# KiCad board CDJ-MainBoard.kicad_pcb
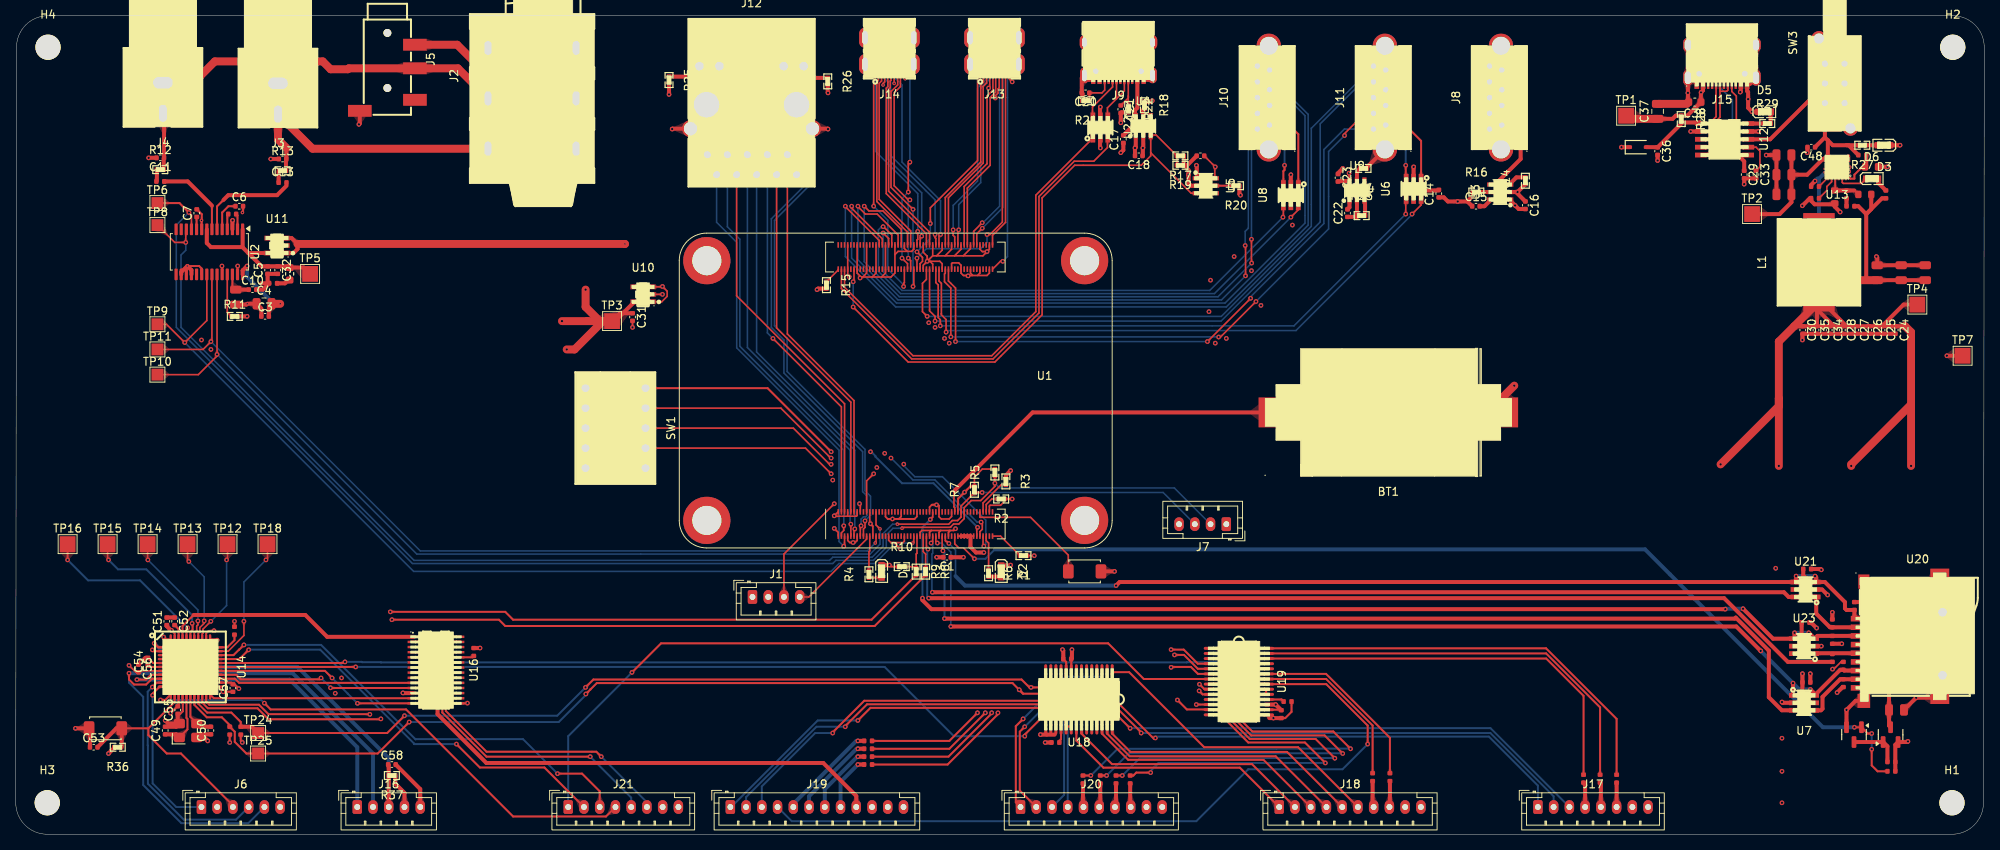
[diagram p0: board, top side]
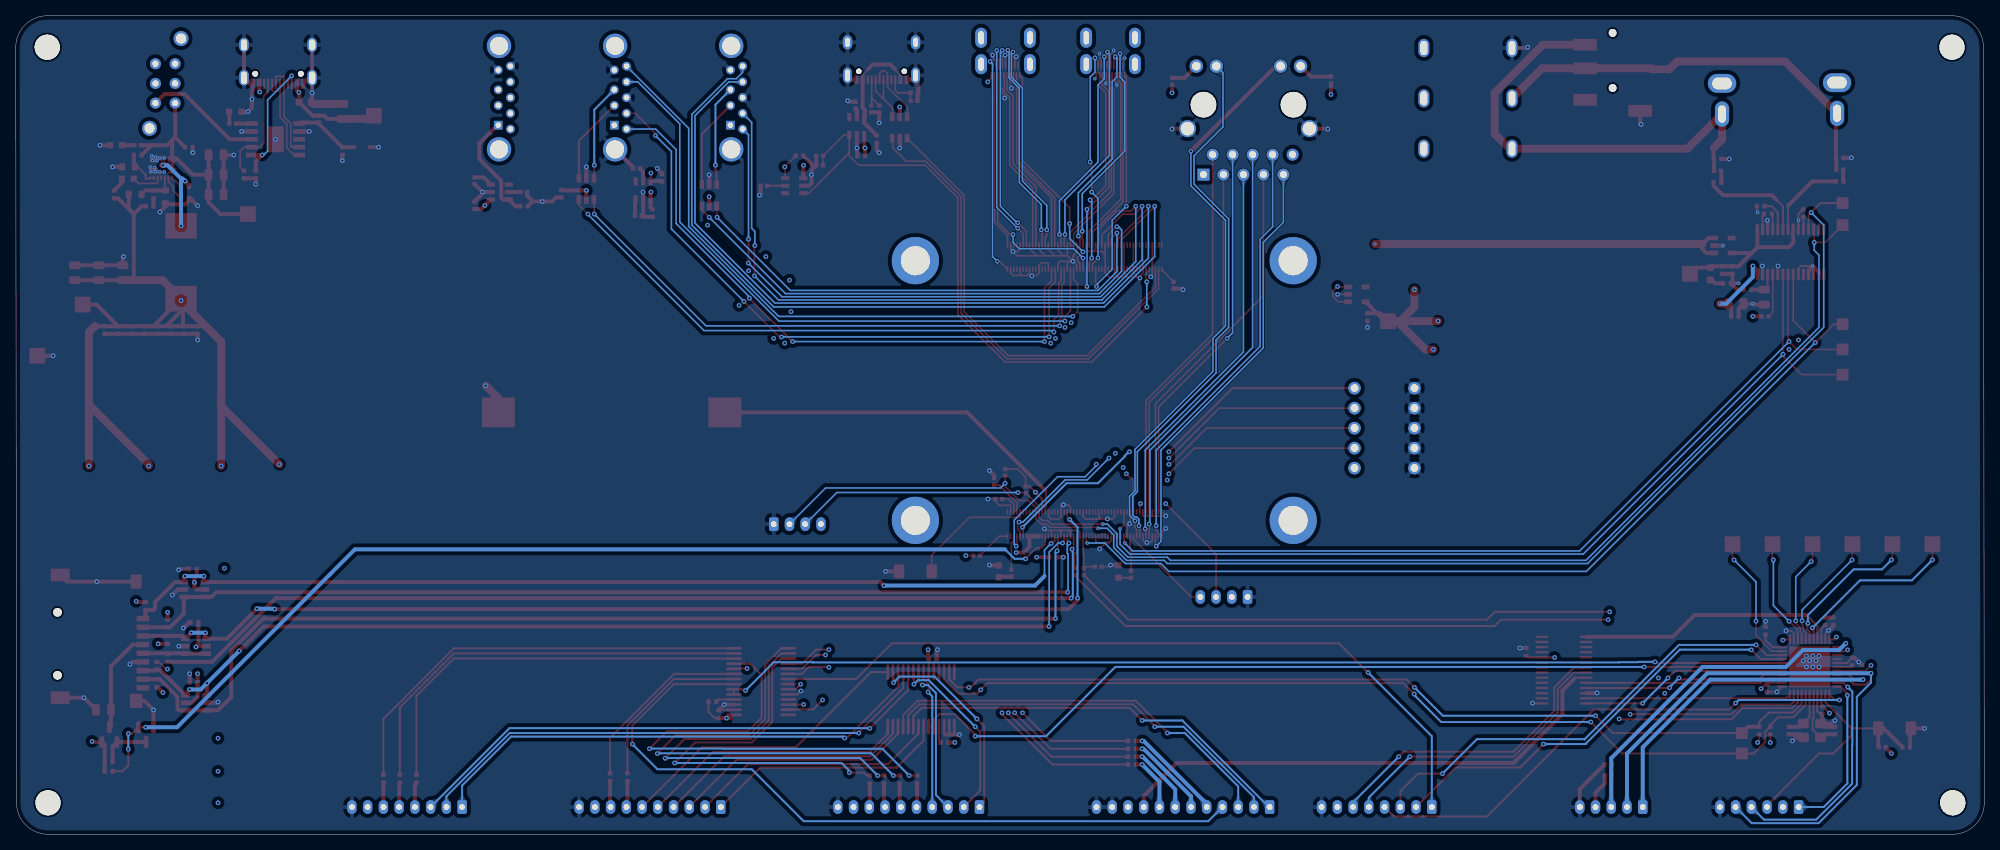
[diagram p1: board, bottom side, seen from below]

Outline 250.1 x 104 mm; copper layers: Top, In1.Cu, In2.Cu, Bottom. Coordinates in mm from the lower left corner of the outline.
Outline path: 0,4 0.1,100 arc(1.27,102.83) 4.1,104 246.1,104 arc(248.93,102.83) 250.1,100 250,4 arc(248.83,1.17) 246,0 4,0 arc(1.17,1.17) 0,4
Stack: Top 0.035mm / dielectric 0.1mm FR4 er 4.5 / In1.Cu 0.035mm / dielectric 1.24mm FR4 er 4.5 / In2.Cu 0.035mm / dielectric 0.1mm FR4 er 4.5 / Bottom 0.035mm

## Placement (name value [footprint] x y rotation side)
BT1  CR2032-BS-6-1  [BAT-TH_CR2032-BS-6-1]  174.39 53.6 180 top
C1  100nF  [C_0402_1005Metric]  118.32 35.2 180 top
C2  2.2uF  [C_0402]  32.7 70 0 top
C3  100nF  [C_0402_1005Metric]  31.68 65.8 0 top
C4  10µF  [C_0805_2012Metric]  31.55 67.4 0 top
C5  100nF  [C_0402_1005Metric]  32 71.68 90 top
C6  1µF  [C_0402_1005Metric]  28.4 79.8 0 top
C7  1µF  [C_0402_1005Metric]  23 78.92 90 top
C8  2.2uF  [C_0402]  27.5 78.8 0 top
C9  2.2uF  [C_0402]  18.37 82.94 0 top
C10  100nF  [C_0402_1005Metric]  30.08 69.2 0 top
C11  2.2nF  [C_0402_1005Metric]  18.37 85.94 180 top
C12  2.2uF  [C_0402]  33.9 82.8 0 top
C13  2.2nF  [C_0402_1005Metric]  33.9 85.8 180 top
C14  1µF  [C_0402_1005Metric]  180.8 81.4 90 top
C15  1µF  [C_0402_1005Metric]  185.52 79.8 0 top
C16  1µF  [C_0402_1005Metric]  191.8 79.92 270 top
C17  1µF  [C_0402_1005Metric]  140.72 88.32 90 top
C18  1µF  [C_0402_1005Metric]  142.68 86.2 180 top
C19  1µF  [C_0402_1005Metric]  150.52 86.2 0 top
C20  100nF  [C_0402_1005Metric]  135.92 94.2 180 top
C21  100nF  [C_0402_1005Metric]  140.4 92.12 270 top
C22  1µF  [C_0402_1005Metric]  169.2 78.92 90 top
C23  1µF  [C_0402_1005Metric]  168 83.4 270 top
C24  100nF  [C_0402_1005Metric]  238.79 64.07 270 top
C25  1uF  [C_0402_1005Metric]  237.11 64.07 270 top
C26  1uF  [C_0402_1005Metric]  235.43 64.07 270 top
C27  100nF  [C_0402_1005Metric]  233.75 64.07 270 top
C28  100nF  [C_0402_1005Metric]  232.08 64.07 270 top
C29  100nF  [C_0402_1005Metric]  219.6 83.82 270 top
C30  100nF  [C_0402_1005Metric]  227.04 64.07 270 top
C31  1uF  [C_0402_1005Metric]  78.36 65.72 270 top
C32  1uF  [C_0402_1005Metric]  33.28 71.68 270 top
C33  100nF  [C_0402_1005Metric]  221.1 83.82 270 top
C34  100nF  [C_0402_1005Metric]  230.4 64.07 270 top
C35  100nF  [C_0402_1005Metric]  228.72 64.07 270 top
C36  1µF  [C_0402_1005Metric]  208.6 86.8 270 top
C37  10µF/35V  [C_0805_2012Metric]  208.6 91.85 90 top
C38  100nF/50V  [C_0603_1608Metric]  213.32 93.03 180 top
C39  22uF  [C_0805]  242.6 71.35 270 top
C40  22uF  [C_0805]  239.55 71.35 270 top
C41  22uF  [C_0805]  236.5 71.35 270 top
C42  10uF  [C_0805]  224.65 86.3 180 top
C43  10uF  [C_0805]  224.65 83.8 180 top
C44  100nF  [C_0402]  228.6 82.3 0 top
C45  1uF  [C_0402]  228.6 80.8 0 top
C46  22uF  [C_0805]  224.65 81.3 0 top
C47  100pF  [C_0402]  233.1 79.8 0 top
C48  100nF/50V  [C_0402_1005Metric]  228.12 87.3 180 top
C49  15pF  [C_0402_1005Metric]  18.99 13.18 90 top
C50  15pF  [C_0402_1005Metric]  24.79 13.18 90 top
C51  100nF  [C_0402_1005Metric]  19.19 27.06 90 top
C52  10nF  [C_0402_1005Metric]  20.19 27.06 270 top
C53  100nF  [C_0402_1005Metric]  9.91 11.06 0 top
C54  1uF  [C_0402_1005Metric]  16.79 21.94 90 top
C55  1uF  [C_0402_1005Metric]  20.59 15.78 90 top
C56  100nF  [C_0402_1005Metric]  15.59 21.06 270 top
C57  100nF  [C_0402_1005Metric]  27.59 18.58 90 top
C58  22nF  [C_0402_1005Metric]  47.79 8.86 0 top
C60  10uF  [C_0805]  27.96 68.25 270 top
C61  100nF  [C_0402]  58.19 23.16 90 top
C62  100nF  [C_0402]  133.59 22.26 180 top
C63  100nF  [C_0402]  160.79 15.26 90 top
C65  100nF  [C_0402]  227.5 19.3 0 top
C66  100nF  [C_0402]  227.4 26.9 0 top
C75  100nF  [C_0402]  227.6 33.7 0 top
C76  10uF  [C_0805]  238.95 15.8 180 top
D1  PSC-1608U52GC-G4  [LED0603-RD_GREEN]  110 33.4 270 top
D2  XL-1608UBC-04  [LED0603-RD_BLUE]  125.2 33.4 270 top
D3  KT-0603R  [LED0603-RD]  237.35 87.55 180 top
D4  BZT52C3V3S  [D_SOD-323]  206.1 87.3 0 top
D5  PSC-1608U52GC-G4  [LED0603-RD_GREEN]  222.2 91.8 0 top
D6  KT-0603R  [LED0603-RD]  235.85 83.3 0 top
FB1  ~  [FB_0603]  34.8 71.21 90 top
H1  MountingHole  [MountingHole_3.2mm_M3]  246 4 0 top
H2  MountingHole  [MountingHole_3.2mm_M3]  246.1 100 0 top
H3  MountingHole  [MountingHole_3.2mm_M3]  4 4 0 top
H4  MountingHole  [MountingHole_3.2mm_M3]  4.1 100 0 top
J1  J_FAN_PWM  [JST_PH_B4B-PH-K_1x04_P2.00mm_Vertical]  93.6 30.15 0 top
J2  PJ-611E 6.35mm jack  [AUDIO-TH_PJ-611E_1]  65.6 93.51 90 top
J3  J_RCA_L (white)  [CONN-TH_AV-5]  33.31 93.46 180 top
J4  J_RCA_R (red)  [CONN-TH_AV-5]  18.7 93.55 180 top
J5  PJ-320D 3.5mm jack  [AUDIO-SMD_PJ-320D-1]  47.21 96.12 270 top
J6  J_ISP_ATMEGA  [JST_PH_B6B-PH-K_1x06_P2.00mm_Vertical]  23.59 3.46 0 top
J7  J_I2C  [JST_PH_B4B-PH-K_1x04_P2.00mm_Vertical]  153.8 39.4 180 top
J8  AUX POWER USB_A  [USB-3.0-A-TH_HC-ST-003-010-L15.0-J-K]  188.03 93.6 90 top
J9  TYPE-C_16PIN_2MD(073)  [USB-C-SMD_TYPE-C-6PIN-2MD-073]  140.1 98.25 180 top
J10  USB_DJ_STICK (USB3_A)  [USB-3.0-A-TH_HC-ST-003-010-L15.0-J-K]  158.52 93.6 90 top
J11  USB_SCREEN (USB3_A)  [USB-3.0-A-TH_HC-ST-003-010-L15.0-J-K]  173.28 93.6 90 top
J12  HR911130A  [RJ45-TH_HR911130A]  93.49 90.71 0 top
J13  PI HDMI_0 (HDMI_D_1.4 micro)  [HDMI-SMD_HDMI-101S]  124.35 98.82 180 top
J14  PI HDMI_0 (HDMI_D_1.4 micro)  [HDMI-SMD_HDMI-101S]  111 98.82 180 top
J15  TYPE-C-31-M-12  [USB-C_SMD-TYPE-C-31-M-12_1]  216.77 97.83 180 top
J16  J_JOGWHEEL  [JST_PH_B5B-PH-K_1x05_P2.00mm_Vertical]  43.39 3.46 0 top
J17  J_HOTCUES  [JST_PH_B8B-PH-K_1x08_P2.00mm_Vertical]  193.39 3.46 0 top
J18  J_LEFT_CTRLS  [JST_PH_B10B-PH-K_1x10_P2.00mm_Vertical]  160.52 3.46 0 top
J19  J_RIGHT_CTRLS  [JST_PH_B12B-PH-K_1x12_P2.00mm_Vertical]  90.79 3.46 0 top
J20  J_TOP_LEFT  [JST_PH_B10B-PH-K_1x10_P2.00mm_Vertical]  127.66 3.46 0 top
J21  J_TOP_RIGHT  [JST_PH_B8B-PH-K_1x08_P2.00mm_Vertical]  70.19 3.46 0 top
L1  SL1040-2R2M  [IND-SMD_SL1040-R47M]  229.1 72.68 90 top
Q1  AO3400A NFET  [Q_SOT-23]  233.55 12.66 270 top
Q2  SI2301CDS-T1-GE3 P-FET  [Q_SOT-23]  238.2 12.66 90 top
R1  10kΩ  [R0402]  128.03 35.4 180 top
R2  5.1kΩ  [R0402]  125.2 42.6 180 top
R3  5.1kΩ  [R0402]  125.8 44.83 270 top
R4  220Ω  [R0402]  108.4 33.03 90 top
R5  2.2kΩ  [R0402]  124.4 45.97 90 top
R6  220Ω  [R0402]  123.6 33.17 270 top
R7  2.2kΩ  [R0402]  121.8 43.77 90 top
R8  100Ω  [R0402]  115.6 33.37 270 top
R9  2.2kΩ  [R0402]  114.4 33.37 270 top
R10  3.3kΩ  [R0402]  112.57 34 0 top
R11  47kΩ  [R0402]  27.83 65.8 0 top
R12  470Ω  [R0402]  18.37 84.44 0 top
R13  470Ω  [R0402]  33.9 84.3 0 top
R14  100kΩ  [R0402]  191.8 83.03 90 top
R15  10kΩ  [R0402]  103 69.77 270 top
R16  10kΩ  [R0402]  185.57 81.6 0 top
R17  100kΩ  [R0402]  147.97 86.2 180 top
R18  10kΩ  [R0402]  143.4 92.63 270 top
R19  100kΩ  [R0402]  147.97 85 180 top
R20  10kΩ  [R0402]  155.03 82.4 180 top
R21  5.1kΩ  [R0402]  135.97 93.2 180 top
R22  5.1kΩ  [R0402]  141.4 92.17 270 top
R23  100kΩ  [R0402]  171 78.6 0 top
R24  10kΩ  [R0402]  171.23 84.6 180 top
R25  270Ω  [R0402]  83 95.83 270 top
R26  270Ω  [R0402]  103.17 95.67 270 top
R27  3.3kΩ  [R0402]  234.6 87.55 180 top
R28  3.3kΩ  [R0402]  211.6 90.87 270 top
R29  1kΩ  [R0402]  222.53 90.3 0 top
R30  100kΩ  [R_0402]  234.6 86.3 0 top
R31  18kΩ  [R_0603]  235.78 84.8 0 top
R32  10Ω  [R_0402]  232.6 81.3 270 top
R33  510Ω  [R_0402]  237.6 81.3 90 top
R34  200kΩ  [R_0603]  234.92 81.3 0 top
R35  27kΩ  [R_0603]  231.1 80.98 270 top
R36  10kΩ  [R0402]  12.96 11.06 180 top
R37  22kΩ  [R0402]  47.79 7.46 180 top
R41  10kΩ  [R_0402]  27.79 25.86 90 top
R52  10kΩ  [R_0402]  132.09 11.66 180 top
R53  4.7kΩ  [R_0402]  27.19 13.16 90 top
R54  4.7kΩ  [R_0402]  28.59 13.16 90 top
R55  10kΩ  [R_0402]  161.59 16.86 0 top
R56  330Ω  [R_0402]  203.39 7.06 270 top
R57  330Ω  [R_0402]  201.29 7.06 270 top
R58  330Ω  [R_0402]  199.19 7.06 270 top
R59  330Ω  [R_0402]  135.59 6.96 270 top
R60  330Ω  [R_0402]  108.29 8.86 180 top
R61  330Ω  [R_0402]  174.59 7.26 270 top
R62  330Ω  [R_0402]  172.39 7.26 270 top
R63  330Ω  [R_0402]  137.79 6.96 90 top
R64  330Ω  [R_0402]  139.79 6.96 90 top
R65  330Ω  [R_0402]  141.59 6.96 90 top
R66  330Ω  [R_0402]  108.29 11.86 0 top
R67  330Ω  [R_0402]  108.29 10.86 0 top
R68  330Ω  [R_0402]  108.29 9.86 0 top
R69  33Ω  [R_0402]  230.8 22.4 90 top
R70  10kΩ  [R_0402]  230.8 24.7 90 top
R71  10kΩ  [R_0402]  238.3 8 180 top
R72  10kΩ  [R_0402]  230.8 26.8 270 top
R73  10kΩ  [R_0402]  238.3 9.2 180 top
R74  10kΩ  [R_0402]  233.6 29 270 top
R75  10kΩ  [R_0402]  232.2 19.2 90 top
R76  10kΩ  [R_0402]  232.2 21.4 270 top
SW1  DSWB05LHGET  [SW-TH_DSWB05LHGET]  76.2 51.6 270 top
SW2  PWR_BUT_CM5  [SW_TS-1088-AR02016]  135.8 33.4 0 top
SW3  SW_MAIN_POWER  [SW-TH_PS-22E05]  231.1 95.4 90 top
SW4  RESET_BTN  [SW_TS-1088-AR02016]  11.39 13.46 0 top
TP1  TP_20V_USB_RAIL  [TestPoint_Pad_2.0x2.0mm]  204.6 91.3 0 top
TP2  TP_20V_USB  [TestPoint_Pad_2.0x2.0mm]  220.6 78.8 0 top
TP3  TP_3.3_DGTL  [TestPoint_Pad_2.0x2.0mm]  75.76 65.2 0 top
TP4  TP_5V  [TestPoint_Pad_2.0x2.0mm]  241.6 67.3 0 top
TP5  TP_3.3_ANALOG  [TestPoint_Pad_2.0x2.0mm]  37.4 71.2 0 top
TP6  TP_I2C_SDA  [TestPoint_Pad_1.5x1.5mm]  18 80.2 0 top
TP7  TP_GND  [TestPoint_Pad_2.0x2.0mm]  247.35 60.8 0 top
TP8  TP_I2C_SCL  [TestPoint_Pad_1.5x1.5mm]  18 77.4 0 top
TP9  TP_I2S_BCK  [TestPoint_Pad_1.5x1.5mm]  18 64.8 0 top
TP10  TP_I2S_LRCK  [TestPoint_Pad_1.5x1.5mm]  18 58.4 0 top
TP11  TP_I2S_DIN  [TestPoint_Pad_1.5x1.5mm]  18 61.6 0 top
TP12  PF7  [TestPoint_Pad_2.0x2.0mm]  26.91 36.86 0 top
TP13  PF6  [TestPoint_Pad_2.0x2.0mm]  21.83 36.86 0 top
TP14  PF5  [TestPoint_Pad_2.0x2.0mm]  16.75 36.86 0 top
TP15  PF4  [TestPoint_Pad_2.0x2.0mm]  11.67 36.86 0 top
TP16  PF1  [TestPoint_Pad_2.0x2.0mm]  6.59 36.86 0 top
TP18  PC7  [TestPoint_Pad_2.0x2.0mm]  31.99 36.86 0 top
TP24  I2C_SDA_ARDUINO  [TestPoint_Pad_1.5x1.5mm]  30.79 12.86 0 top
TP25  I2C_SCL_ARDUINO  [TestPoint_Pad_1.5x1.5mm]  30.79 10.26 0 top
U1  Compute_Module_5_Functional  [CM5]  114.3 56.38 90 top
U2  PCM5122PW  [TSSOP-28_4.4x9.7mm_P0.65mm]  24.6 74 270 top
U3  AP2553W6-7  [SOT-26_L3.0-W1.6-P0.95-LS2.8-BL]  188.6 81.6 90 top
U4  AP2553W6-7  [SOT-26_L3.0-W1.6-P0.95-LS2.8-BL]  143.25 89.98 0 top
U5  AP2553W6-7  [SOT-26_L3.0-W1.6-P0.95-LS2.8-BL]  151.2 82.4 270 top
U6  USBLC6-2SC6-ES  [SOT-23-6_L2.9-W1.6-P0.95-LS2.8-BR]  177.6 82 90 top
U7  USBLC6-2SC6-ES  [SOT-23-6_L2.9-W1.6-P0.95-LS2.8-BR]  227.2 16.7 180 top
U8  USBLC6-2SC6-ES  [SOT-23-6_L2.9-W1.6-P0.95-LS2.8-BR]  162 81.2 90 top
U9  AP2553W6-7  [SOT-26_L3.0-W1.6-P0.95-LS2.8-BL]  170.4 81.8 0 top
U10  AP2112K-3.3 DIGITAL PSU LDO  [SOT-23-5_L2.9-W1.6-P0.95-LS2.8-BR]  79.7 68.6 0 top
U11  AP2112K-3.3 ANALOG AUDIO LDO  [SOT-23-5_L2.9-W1.6-P0.95-LS2.8-BR]  33.2 74.8 0 top
U12  CH224K  [ESSOP-10_L4.9-W3.9-P1.0-LS6.0-TL-EP]  217.1 88.3 270 top
U13  SY8368AQQC  [QFN-12_L3.0-W3.0-P0.45-TL-EP]  231.37 84.6 180 top
U14  ATmega32U4-A (Arduino MIDI controller)  [VQFN-44_L7.0-W7.0-P0.50-BL-EP5.2]  22.19 21.26 270 top
U16  74HC4067PW,118  [TSSOP-28_L9.8-W6.6-P0.65-BL]  53.39 20.86 270 top
U18  MCP23017T-E/SS  [SSOP-28_L10.2-W5.3-P0.65-LS7.8-BL]  135.08 17.14 180 top
U19  MCP23017T-E/SS  [SSOP-28_L10.2-W5.3-P0.65-LS7.8-BL]  155.4 19.4 270 top
U20  TF-15×15  [TF-SMD_TF-15-15]  239.2 24.95 0 top
U21  USBLC6-2SC6-ES  [SOT-23-6_L2.9-W1.6-P0.95-LS2.8-BR]  227.4 31.1 0 top
U22  USBLC6-2SC6-ES  [SOT-23-6_L2.9-W1.6-P0.95-LS2.8-BR]  137.8 89.8 270 top
U23  USBLC6-2SC6-ES  [SOT-23-6_L2.9-W1.6-P0.95-LS2.8-BR]  227.2 23.9 0 top
X1  X322516MLB4SI  [OSC-SMD_4P-L3.2-W2.5-BL]  21.89 13.18 0 top

## Library data of the parts
BT1 = -: Datasheet: https://item.szlcsc.com/71472.html; LCSC: C70377
C1 C6 C7 C10 C11 C13-C24 C27-C30 C33-C38 C48 C58 = -: Description: Unpolarized capacitor, small symbol; ki_fp_filters: C_*
C2 C8 C9 C12 = -: Datasheet: https://www.lcsc.com/datasheet/lcsc_datasheet_2304140030_Samsung-Electro-Mechanics-CL05A225MQ5NSNC_C12530.pdf; Description: 6.3V 2.2uF X5R ±20% 0402 Multilayer Ceramic Capacitors MLCC - SMD/SMT ROHS; LCSC: C12530; Stock: 4528431; Price: 0.006USD; Process: SMT; Minimum Qty: 20; Attrition Qty: 10; Class: Basic Component; Category: Capacitors,Multilayer Ceramic Capacitors MLCC - SMD/SMT; Manufacturer: Samsung Electro-Mechanics; Part: CL05A225MQ5NSNC; Voltage Rated: 6.3V; Tolerance: ±20%; Temperature Coefficient: X5R; ki_fp_filters: C_*
C3-C5 C49-C51 C53-C57 = -: Description: Unpolarized capacitor; ki_fp_filters: C_*
C25 C26 C31 C32 = -: Description: Unpolarized CERAMIC capacitor; ki_fp_filters: C_*
C39-C41 C46 = -: Datasheet: https://www.lcsc.com/datasheet/lcsc_datasheet_2304140030_Samsung-Electro-Mechanics-CL21A226MAQNNNE_C45783.pdf; Description: 25V 22uF X5R ±20% 0805 Multilayer Ceramic Capacitors MLCC - SMD/SMT ROHS; LCSC: C45783; Stock: 6479946; Price: 0.027USD; Process: SMT; Minimum Qty: 20; Attrition Qty: 8; Class: Basic Component; Category: Capacitors,Multilayer Ceramic Capacitors MLCC - SMD/SMT; Manufacturer: Samsung Electro-Mechanics; Part: CL21A226MAQNNNE; Voltage Rated: 25V; Tolerance: ±20%; Temperature Coefficient: X5R; ki_fp_filters: C_*
C42 C43 C60 = -: Datasheet: https://www.lcsc.com/datasheet/lcsc_datasheet_2411041759_Murata-Electronics-GRM21BR61H106KE43L_C440198.pdf; Description: 50V 10uF X5R ±10% 0805 Multilayer Ceramic Capacitors MLCC - SMD/SMT ROHS; LCSC: C440198; Stock: 1422246; Price: 0.066USD; Process: SMT; Minimum Qty: 5; Attrition Qty: 4; Class: Basic Component; Category: Capacitors,Multilayer Ceramic Capacitors MLCC - SMD/SMT; Manufacturer: Murata Electronics; Part: GRM21BR61H106KE43L; Voltage Rated: 50V; Tolerance: ±10%; Temperature Coefficient: X5R; ki_fp_filters: C_*
C44 C61-C63 = -: Datasheet: https://www.lcsc.com/datasheet/lcsc_datasheet_2304140030_Samsung-Electro-Mechanics-CL05B104KB54PNC_C307331.pdf; Description: 50V 100nF X7R ±10% 0402 Multilayer Ceramic Capacitors MLCC - SMD/SMT ROHS; LCSC: C307331; Stock: 8389599; Price: 0.008USD; Process: SMT; Minimum Qty: 20; Attrition Qty: 10; Class: Basic Component; Category: Capacitors,Multilayer Ceramic Capacitors MLCC - SMD/SMT; Manufacturer: Samsung Electro-Mechanics; Part: CL05B104KB54PNC; Voltage Rated: 50V; Tolerance: ±10%; Temperature Coefficient: X7R; ki_fp_filters: C_*
C45 = -: Datasheet: https://www.lcsc.com/datasheet/lcsc_datasheet_2304140030_Samsung-Electro-Mechanics-CL05A105KA5NQNC_C52923.pdf; Description: 25V 1uF X5R ±10% 0402 Multilayer Ceramic Capacitors MLCC - SMD/SMT ROHS; LCSC: C52923; Stock: 7021828; Price: 0.006USD; Process: SMT; Minimum Qty: 20; Attrition Qty: 10; Class: Basic Component; Category: Capacitors,Multilayer Ceramic Capacitors MLCC - SMD/SMT; Manufacturer: Samsung Electro-Mechanics; Part: CL05A105KA5NQNC; Voltage Rated: 25V; Tolerance: ±10%; Temperature Coefficient: X5R; ki_fp_filters: C_*
C47 = -: Datasheet: https://www.lcsc.com/datasheet/lcsc_datasheet_2304140030_FH--Guangdong-Fenghua-Advanced-Tech-0402CG101J500NT_C1546.pdf; Description: 50V 100pF C0G ±5% 0402 Multilayer Ceramic Capacitors MLCC - SMD/SMT ROHS; LCSC: C1546; Stock: 2554383; Price: 0.004USD; Process: SMT; Minimum Qty: 20; Attrition Qty: 10; Class: Basic Component; Category: Capacitors,Multilayer Ceramic Capacitors MLCC - SMD/SMT; Manufacturer: FH(Guangdong Fenghua Advanced Tech); Part: 0402CG101J500NT; Voltage Rated: 50V; Tolerance: ±5%; Temperature Coefficient: C0G; ki_fp_filters: C_*
C52 = -: Description: Unpolarized capacitor, a trick to reduce ADC noise further. Not massively useful but 0.1 cents addition; ki_fp_filters: C_*
C65 C66 C75 = -: Datasheet: https://www.lcsc.com/datasheet/lcsc_datasheet_2304140030_Samsung-Electro-Mechanics-CL05B104KO5NNNC_C1525.pdf; Description: 16V 100nF X7R ±10% 0402 Multilayer Ceramic Capacitors MLCC - SMD/SMT ROHS; LCSC: C1525; Stock: 20208285; Price: 0.004USD; Process: SMT; Minimum Qty: 20; Attrition Qty: 10; Class: Basic Component; Category: Capacitors,Multilayer Ceramic Capacitors MLCC - SMD/SMT; Manufacturer: Samsung Electro-Mechanics; Part: CL05B104KO5NNNC; Voltage Rated: 16V; Tolerance: ±10%; Temperature Coefficient: X7R; ki_fp_filters: C_*
C76 = -: Datasheet: https://www.lcsc.com/datasheet/lcsc_datasheet_2304140030_Samsung-Electro-Mechanics-CL21A106KAYNNNE_C15850.pdf; Description: 25V 10uF X5R ±10% 0805 Multilayer Ceramic Capacitors MLCC - SMD/SMT ROHS; LCSC: C15850; Stock: 6525809; Price: 0.014USD; Process: SMT; Minimum Qty: 20; Attrition Qty: 10; Class: Basic Component; Category: Capacitors,Multilayer Ceramic Capacitors MLCC - SMD/SMT; Manufacturer: Samsung Electro-Mechanics; Part: CL21A106KAYNNNE; Voltage Rated: 25V; Tolerance: ±10%; Temperature Coefficient: X5R; ki_fp_filters: C_*
D1 = -: Datasheet: https://atta.szlcsc.com/upload/public/pdf/source/20190115/C264450_D840E7E570138F41CCE67133F241C738.pdf; Description: green led 780mcd; LCSC: C22371297
D2 = -: Datasheet: https://atta.szlcsc.com/upload/public/pdf/source/20210617/C2837377_50FC585D376FE0CDA016E524346528FF.pdf; LCSC: C965807
D3 D6 = -: Datasheet: https://item.szlcsc.com/347874.html; LCSC: C2286
D4 = -: Datasheet: https://wmsc.lcsc.com/wmsc/upload/file/pdf/v2/lcsc/2403280505_hongjiacheng-BZT52C3V3S_C19077437.pdf; Description: Independent Type 200mW 3.1V~3.5V 3.3V SOD-323 Zener Diodes ROHS; LCSC: C19077437; Stock: 229387; Price: 0.018USD; Process: SMT; Minimum Qty: 20; Attrition Qty: 10; Class: Preferred Component; Category: Diodes,Zener Diodes; Manufacturer: hongjiacheng; ki_fp_filters: D_*
D5 = -: Datasheet: https://atta.szlcsc.com/upload/public/pdf/source/20190115/C264450_D840E7E570138F41CCE67133F241C738.pdf; LCSC: C22371297
FB1 = -: Datasheet: https://www.lcsc.com/datasheet/lcsc_datasheet_2310301640_Sunlord-GZ1608D601TF_C1002.pdf; Description: 450mΩ ±25% 600Ω@100MHz 0603 Ferrite Beads ROHS; LCSC: C1002; Stock: 789150; Price: 0.010USD; Process: SMT; Minimum Qty: 20; Attrition Qty: 6; Class: Basic Component; Category: Filters/EMI Optimization,Ferrite Beads; Manufacturer: Sunlord; Part: GZ1608D601TF; DC Resistance: 450mΩ; Impedance @ Frequency: 600Ω@100MHz; Circuits: 1; Current Rating: 200mA; Tolerance: ±25%; ki_fp_filters: FB_*
H1-H4 = -: Description: Mounting Hole without connection; ki_fp_filters: MountingHole*
J1 J7 = -: Description: Generic connector, single row, 01x04, script generated (kicad-library-utils/schlib/autogen/connector/); ki_fp_filters: Connector*:*_1x??_*
J2 = -: Datasheet: https://item.szlcsc.com/datasheet/PJ-611E/292943.html?spm=sc.it.xds.a&lcsc_vid=EVMNBFVWTlcKUQUCQ1FdVFJSRgcNXgJXE1BbX1ACQlgxVlNQQ1NcUF1RR1VcXjsOAxUeFF5JWA0NAgAHWQIASA%3D%3D; LCSC: C309282
J3 = -: MF: Same Sky; Description_1: Metal Right-Angle, SMT RCA Jack, White Insulator; Package: None; Price: None; Check_prices: https://www.snapeda.com/parts/RCJ-013-SMT-TR/Same+Sky/view-part/?ref=eda; PART_REV: B; STANDARD: Manufacturer recommendations; SnapEDA_Link: https://www.snapeda.com/parts/RCJ-013-SMT-TR/Same+Sky/view-part/?ref=snap; MP: RCJ-013-SMT-TR; Purchase-URL: https://www.snapeda.com/api/url_track_click_mouser/?unipart_id=1316562&manufacturer=Same Sky&part_name=RCJ-013-SMT-TR&search_term=rca jack pcb mount; Availability: In Stock; MANUFACTURER: CUI Inc
J4 = -: MF: Same Sky; Description_1: Metal Right-Angle, SMT RCA Jack, Red Insulator; Package: None; Price: None; Check_prices: https://www.snapeda.com/parts/RCJ-012-SMT-TR/Same+Sky/view-part/?ref=eda; PART_REV: B; STANDARD: Manufacturer recommendations; SnapEDA_Link: https://www.snapeda.com/parts/RCJ-012-SMT-TR/Same+Sky/view-part/?ref=snap; MP: RCJ-012-SMT-TR; Purchase-URL: https://www.snapeda.com/api/url_track_click_mouser/?unipart_id=1316485&manufacturer=Same Sky&part_name=RCJ-012-SMT-TR&search_term=rca jack pcb mount; Availability: In Stock; MANUFACTURER: CUI Inc
J5 = -: Datasheet: https://atta.szlcsc.com/upload/public/pdf/source/20190925/C431535_8B274506621F6117FB020BF07A197848.pdf; LCSC: C431535
J6 = -: Description: Generic connector, single row, 01x06, script generated (kicad-library-utils/schlib/autogen/connector/); ki_fp_filters: Connector*:*_1x??_*
J8 = -: Description: USB Type A connector used to light up gadgets using this circuit's power; ki_fp_filters: USB*
J9 = -: Datasheet: https://atta.szlcsc.com/upload/public/pdf/source/20210409/C2765186_34D42616F62DF94D17C4D63D74D9FD03.pdf; Description: USB-C Data USB2.0; LCSC: C2765186
J10 J11 = -: Description: USB 3.0 A connector; ki_fp_filters: USB3*
J12 = -: Datasheet: https://item.szlcsc.com/55426.html; LCSC: C54408
J13 J14 = -: Datasheet: http://pinoutguide.com/PortableDevices/micro_hdmi_type_d_pinout.shtml; Description: HDMI 1.4+ type D connector; ki_fp_filters: HDMI*D*
J15 = -: Datasheet: https://item.szlcsc.com/datasheet/TYPE-C-31-M-12/177331.html?spm=sc.gbn.xds.a___sc.gbn.hd.ss&lcsc_vid=RgMNUVYEQARbV1xTElVcVwIAFFBXVwBfEQdfX1UCRAcxVlNTQFBcUlFXT1hYVTsOAxUeFF5JWA0NAgAHWQIASA%3D%3D; Description: USB-C Power C165948; LCSC: C165948
J16 = -: Description: Generic connector, single row, 01x05, script generated (kicad-library-utils/schlib/autogen/connector/); ki_fp_filters: Connector*:*_1x??_*
J17 J21 = -: Description: Generic connector, single row, 01x08, script generated (kicad-library-utils/schlib/autogen/connector/); ki_fp_filters: Connector*:*_1x??_*
J18 J20 = -: Description: Generic connector, single row, 01x10, script generated (kicad-library-utils/schlib/autogen/connector/); ki_fp_filters: Connector*:*_1x??_*
J19 = -: Description: Generic connector, single row, 01x12, script generated (kicad-library-utils/schlib/autogen/connector/); ki_fp_filters: Connector*:*_1x??_*
L1 = -: Datasheet: https://atta.szlcsc.com/upload/public/pdf/source/20240611/8DE7D6BE1273F2E871C82A6D5C20B08D.pdf; LCSC: C22463836
Q1 = -: Datasheet: https://www.lcsc.com/datasheet/lcsc_datasheet_1811081213_Alpha---Omega-Semicon-AO3400A_C20917.pdf; Description: 30V 5.7A 26.5mΩ@10V,5.7A 1.4W 1.5V@250uA 1 N-Channel SOT-23-3L MOSFETs ROHS; LCSC: C20917; Stock: 463122; Price: 0.074USD; Process: SMT; Minimum Qty: 5; Attrition Qty: 4; Class: Basic Component; Category: Transistors,MOSFETs; Manufacturer: Alpha & Omega Semicon; Part: AO3400A; Continuous Drain Current (Id): 5.7A; Input Capacitance (Ciss@Vds): 630pF@15V; Operating Temperature: -55°C~+150°C@(Tj); Type: 1 N-channel; Drain Source Voltage (Vdss): 30V; Power Dissipation (Pd): 1.4W; Gate Threshold Voltage (Vgs(th)@Id): 1.5V@250uA; Drain Source On Resistance (RDS(on)@Vgs,Id): 26.5mΩ@10V,5.7A; Total Gate Charge (Qg@Vgs): 7nC@4.5V; ki_fp_filters: Q_*